# Altium PCB CL-HC-M-V2.1.PcbDoc (part 15 of 19) (continued)
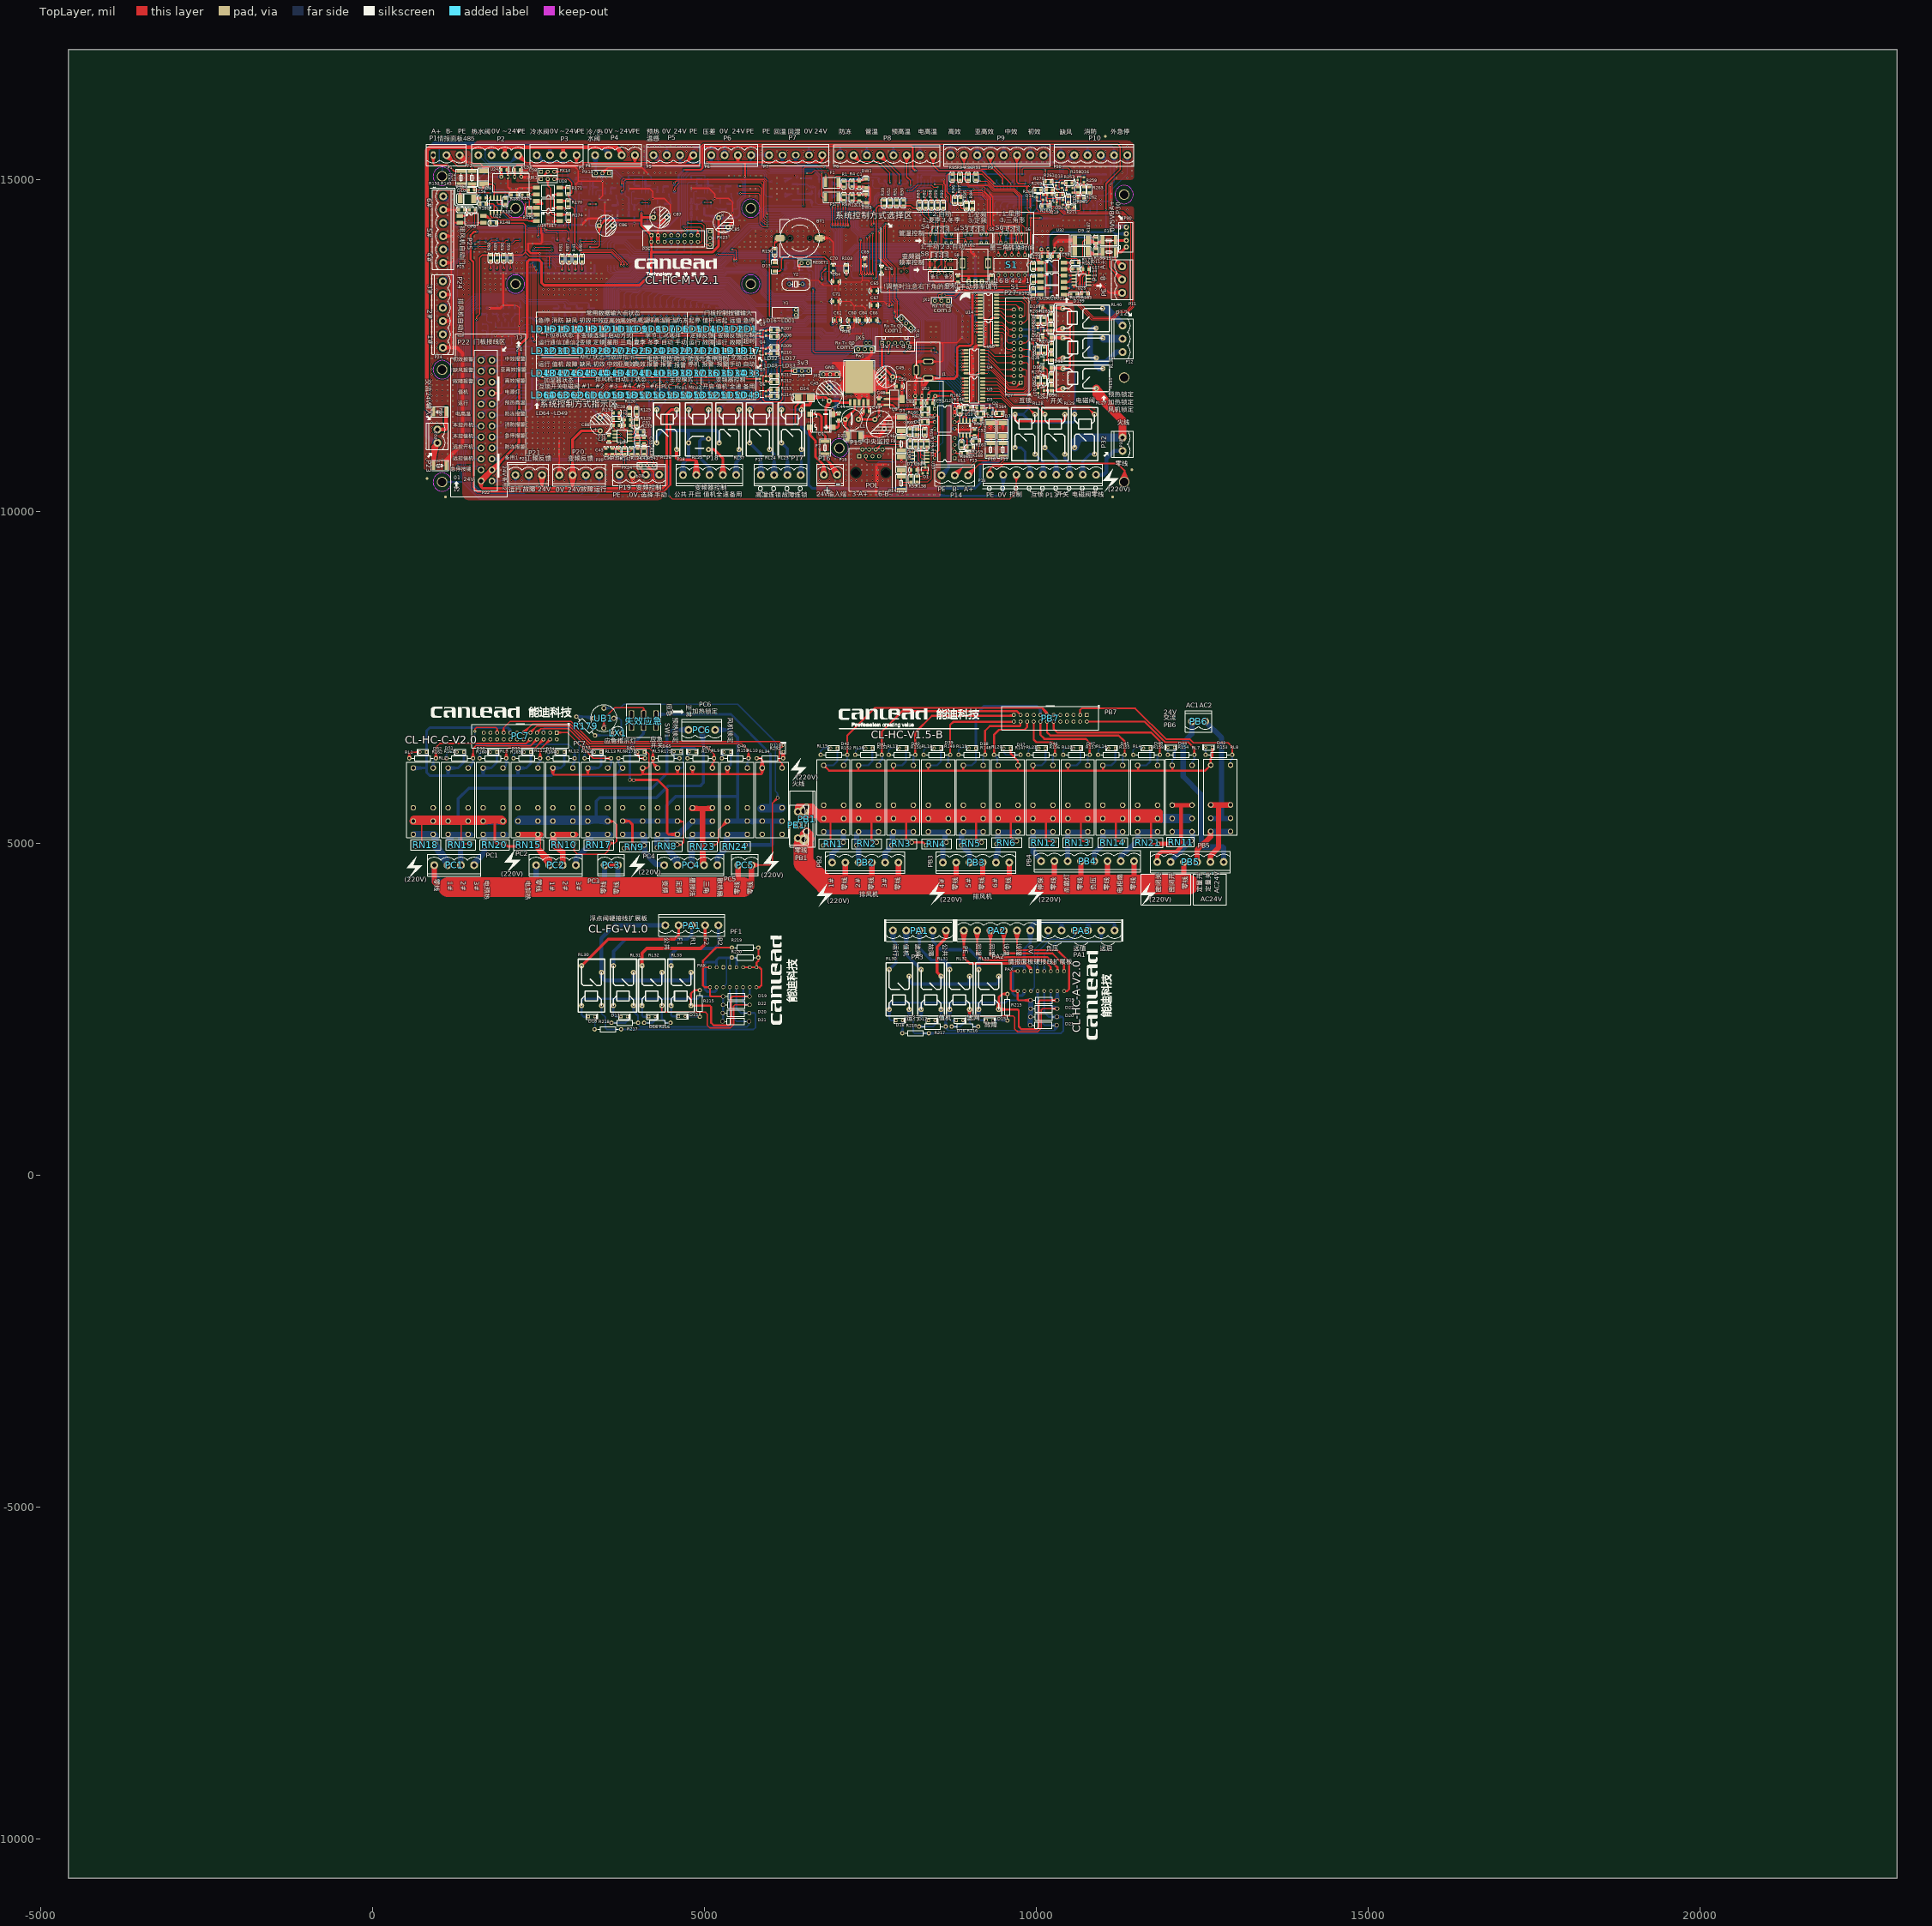
[diagram p0: TopLayer view]
## Nets (pads, with @x,y where several pads share a name; then routed paths per layer and width w, separated by ;. In a path a pad name is that pad's centre, name@x,y a point inside that pad or via, vN(x,y) a via of type N, cw(c..) or ccw(c..) an arc to the next point about the centre after c; other vN are vias at no path point) (continued)
NetQ16_2: Q16.2 R259.2 R263.1 | length 1771
  TopLayer w15: R259.2@10704.94,14891.55 10717.38,14955.35 R259.2@10729.83,14891.55 ; Q16.2@10706.21,14961.91 R259.2@10706.4,14899.04 ; Q16.2@10707.2,14960.27 10717.38,14898.39 Q16.2@10727.57,14960.27 ; Q16.2@10708.45,14958.67 R259.2@10728.37,14899.04 ; Q16.2@10716.4,14961.11 R259.2@10706.4,14899.04 ; Q16.2@10717.38,14961.11 R259.2@10717.38,14890.35 10803.5,14890.35 R263.1@10804.7,14891.55 ; Q16.2@10718.37,14961.11 R259.2@10728.37,14899.04 ; R259.2@10722.38,14890.35 R263.1@10787.38,14890.35 ; R259.2@10723.58,14877.91 R263.1@10787.38,14890.35 ; R259.2@10723.58,14902.79 R263.1@10787.38,14890.35 ; Q16.2@10726.32,14958.67 R259.2@10706.4,14899.04 ; Q16.2@10728.55,14961.91 R259.2@10728.37,14899.04 ; R263.1@10796.36,14903.59 R259.2@10735.11,14880.16 ; R263.1@10796.8,14879.39 R259.2@10734.39,14900.69 ; R263.1@10800.25,14904.03 R259.2@10734.39,14900.69 ; R263.1@10800.68,14879.08 R259.2@10735.11,14880.16 ; R259.2@10734.39,14900.69 R263.1@10799.7,14891.55 ; R259.2@10734.65,14890.35 10798.72,14879.08 R259.2@10734.68,14890.35 ; R259.2@10734.65,14890.35 10798.27,14903.96 R259.2@10734.68,14890.35 ; R259.2@10734.65,14890.35 R263.1@10799.7,14891.55 ; R259.2@10734.68,14890.35 R263.1@10799.7,14891.55 ; R259.2@10735.11,14880.16 R263.1@10799.7,14891.55
NetQ17_2: Q17.2 R260.1 R275.2 | length 1793
  TopLayer w15: R260.1@10010.64,11929.95 Q17.2@10018.96,11865.74 ; R260.1@10015.69,11929.16 10028.13,11865.36 R260.1@10040.58,11929.16 ; Q17.2@10017.95,11859.59 10028.13,11921.48 Q17.2@10038.32,11859.59 ; R260.1@10020.79,11928.35 Q17.2@10037.3,11865.74 ; R260.1@10023.13,11930.36 Q17.2@10018.96,11865.74 ; Q17.2@10028.13,11858.76 R260.1@10028.13,11930.36 R275.2@10120.65,11930.36 ; R260.1@10032.53,11917.87 R275.2@10099.11,11920.91 ; R260.1@10032.53,11942.84 R275.2@10099.11,11939.81 ; R260.1@10035.47,11928.35 Q17.2@10018.96,11865.74 ; R260.1@10036.06,11918.2 R275.2@10099.11,11939.81 ; R260.1@10036.06,11942.51 R275.2@10099.11,11920.91 ; R260.1@10045.63,11929.95 Q17.2@10037.3,11865.74 ; R275.2@10114.45,11917.92 R260.1@10050.65,11930.36 ; R275.2@10114.45,11942.8 R260.1@10050.65,11930.36 ; R275.2@10115.65,11930.36 R260.1@10050.65,11930.36 ; R260.1@10033.13,11930.36 Q17.2@10037.3,11865.74 ; R260.1@10033.13,11930.36 R275.2@10098.13,11930.36 ; R260.1@10033.13,11930.36 R275.2@10099.11,11920.91 ; R260.1@10033.13,11930.36 R275.2@10099.11,11939.81 ; R260.1@10033.13,11930.36 R275.2@10098.13,11930.36 ; R275.2@10098.13,11930.36 10034.33,11942.8 R275.2@10098.13,11930.36 ; R275.2@10098.13,11930.36 10034.33,11917.92 R275.2@10098.13,11930.36
NetQ18_1: Q18.1 R283.1 | length 5418.5
  TopLayer w10: Q18.1@9998,14732.87 10010.61,14686.85 Q18.1@10023.21,14732.87 ; R283.1@10009.25,12924.07 10024.08,12971.82 R283.1@10038.91,12924.07 ; Q18.1@10010.61,14734.56 10010.61,14560.57 10044.79,14526.39 10210.52,14526.39 10265.26,14581.13 10310.57,14581.13 10413.34,14478.36 11289.51,14478.36 11429.08,14338.78 11429.08,13098.24 11373.35,13042.5 11253.44,13042.5 11141.39,12930.45 10866.58,12930.45 10622.68,13174.36 v1@10024.08,13174.36 ; v1@10016.61,13035.7 10024.08,12993.86 ; R283.1@10024.08,12921.82 v1(10024.08,13036.36) 10024.08,12993.86 ; v1(10024.08,13174.06) 10066.58,13174.36 ; v1@10024.69,13181.54 10066.58,13174.36 ; v1@10024.79,13166.6 10066.58,13174.36 ; v1@10031.55,13035.7 10024.08,12993.86
  BottomLayer w10: v1@10016.61,13037.02 10024.08,13078.86 v1@10031.55,13037.02 ; v1@10016.61,13173.4 10024.08,13131.56 v1@10031.55,13173.4 ; v1(10024.08,13036.36) v1(10024.08,13174.06)
NetQ18_2: Q18.2 R265.2 R269.1 | length 737.3
  TopLayer w15: R269.1@10069.14,14847.28 10066.93,14845.07 10066.93,14708.31 ; R265.2@10076.98,14606.63 10089.33,14645.64 ; R265.2@10089.33,14599.72 10089.33,14645.64 ; R265.2@10089.33,14604.72 10089.33,14645.64 ; Q18.2@10093,14695.78 10103.13,14659.43 ; Q18.2@10097.74,14687.94 10066.93,14708.31 ; R265.2@10101.68,14606.63 10089.33,14645.64 ; Q18.2@10103.85,14707.23 10066.93,14708.31 ; Q18.2@10113.25,14695.78 10103.13,14659.43 ; 10066.93,14708.31 10078.07,14697.16 ; 10066.93,14708.31 Q18.2@10102.14,14697.16 ; 10078.07,14697.16 Q18.2@10103.13,14697.16 10103.13,14659.43 ; 10078.07,14697.16 10099.97,14687.18 10078.07,14697.16 ; 10078.07,14697.16 10099.97,14707.15 10078.07,14697.16 ; 10078.07,14697.16 Q18.2@10102.14,14697.16 ; 10078.07,14697.16 Q18.2@10102.14,14697.16 ; 10089.33,14645.64 10103.13,14659.43
NetQ18_3: Q18.3 Q19.3 Q20.1 R265.1 R266.1 | length 1827.2
  TopLayer w15: Q18.3@10103.13,14771.97 10103.3,14772.13 Q19.3@10167.99,14772.13 10167.99,14730.63 ; Q18.3@10103.28,14782.15 Q19.3@10166.25,14782.17 ; Q18.3@10103.33,14761.78 Q19.3@10166.29,14762.09 ; Q18.3@10104.92,14782.15 Q19.3@10166.83,14772.13 ; Q18.3@10104.97,14761.79 Q19.3@10166.83,14772.13 ; Q18.3@10106.53,14781.89 Q19.3@10166.29,14762.09 ; Q18.3@10106.58,14762.05 Q19.3@10166.25,14782.17 ; Q19.3@10157.86,14769.86 10167.99,14730.63 ; R265.1@10161.83,14604.7 10167.99,14670.41 ; Q19.3@10167.16,14761.95 10105.27,14772.13 Q19.3@10167.16,14782.31 ; Q19.3@10167.99,14771.15 10167.99,14730.63 ; R265.1@10174.33,14599.72 10167.99,14606.06 10167.99,14730.63 ; R265.1@10174.33,14604.72 10167.99,14670.41 ; Q19.3@10178.13,14769.86 10167.99,14730.63 ; R265.1@10186.6,14607.09 10167.99,14670.41 ; Q20.1@10299.25,14660.74 10312.37,14722.44 ; R266.1@10300,14764.96 10312.37,14723.1 ; Q20.1@10309.38,14659.43 10312.37,14722.44 ; Q20.1@10312.37,14663.4 10312.37,14723.1 ; R266.1@10312.37,14766.75 10312.37,14723.1 ; R266.1@10312.37,14771.75 10312.37,14723.1 ; Q20.1@10319.59,14659.78 10312.37,14722.44 ; R266.1@10324.74,14764.96 10312.37,14723.1 ; Q18.3@10104.11,14771.97 Q19.3@10166.83,14772.13 ; Q18.3@10104.11,14771.97 Q19.3@10166.29,14762.09 ; Q18.3@10104.11,14771.97 Q19.3@10166.25,14782.17 ; 10167.99,14730.63 10175.91,14722.71 10311.98,14722.71 10312.37,14723.1
NetQ19_1: Q19.1 R268.1 | length 5976.4
  TopLayer w10: v1@9931.14,12524.73 9938.38,12566.62 ; v1@9938.38,12524.12 9938.38,13032.36 10060.38,13154.36 10608.85,13154.36 10850.76,12912.45 11158.22,12912.45 11262.27,13016.5 11372.8,13016.5 11449.08,13092.78 11449.08,14347.06 11297.79,14498.36 10421.63,14498.36 10318.85,14601.13 10227.49,14601.13 10209.33,14619.29 10209.33,14675.68 Q19.1@10205.39,14679.61 ; v1(9938.62,12524.12) 9938.38,12566.62 ; v1@9946.08,12524.82 9938.38,12566.62 ; R268.1@10013.31,12477.68 v1(10028.13,12524.12) ; v1@10020.66,12523.45 R268.1@10028.13,12481.62 ; v1@10020.82,12525.77 R268.1@10015.02,12483.04 ; v1@10021.21,12521.22 10041.24,12483.04 v1@10035.45,12525.77 ; R268.1@10028.13,12475.37 v1(10028.13,12524.12) ; v1@10035.05,12521.22 R268.1@10015.02,12483.04 ; v1@10035.6,12523.45 R268.1@10028.13,12481.62 ; R268.1@10042.95,12477.68 v1(10028.13,12524.12) ; Q19.1@10192.97,14675.92 10209.33,14630.66 ; Q19.1@10205.39,14678.63 10209.33,14630.66 ; Q19.1@10218.09,14677.98 10209.33,14630.66 ; R268.1@10015.02,12483.04 v1(10028.13,12524.12) ; R268.1@10028.13,12481.62 v1(10028.13,12524.12)
  BottomLayer w10: v1(9938.62,12524.12) v1(10028.13,12524.12) 9985.63,12524.12 ; v1@9939.28,12516.64 9981.12,12524.12 v1@9939.28,12531.59 ; v1@10027.47,12516.64 9985.63,12524.12 ; v1@10027.47,12531.59 9985.63,12524.12
NetQ19_2: Q19.2 R266.2 R270.1 | length 2122.5
  TopLayer w15: R270.1@10231.09,14841.08 Q19.2@10243.54,14777.28 ; Q19.2@10240.76,14781.16 v1(10214.84,14770.68) ; Q19.2@10241.1,14761.07 v1(10214.84,14770.68) ; Q19.2@10242.8,14771.15 v1(10214.84,14770.68) ; R270.1@10243.54,14842.28 Q19.2@10243.54,14777.28 ; R270.1@10243.54,14847.28 10243.54,14772.87 Q19.2@10242.8,14772.13 10241.35,14770.68 v1(10214.84,14770.68) ; R270.1@10250.45,14823.27 v1(10214.84,14770.68) ; Q19.2@10252.7,14775.64 R270.1@10232.22,14835.29 ; Q19.2@10252.95,14771.99 R270.1@10254.8,14835.04 ; R270.1@10255.98,14841.08 Q19.2@10243.54,14777.28 ; v1(10214.84,14770.68) 10241.91,14826.64 v1(10214.84,14770.68) ; v1(10214.84,14770.68) Q19.2@10232.62,14774.07 ; v1(10214.84,14770.68) 10232.62,14772.22 R270.1@10232.22,14835.29 ; v1(10214.84,14770.68) R270.1@10232.22,14835.29 ; v1(10214.84,14770.68) Q19.2@10232.62,14774.07 ; v1(10214.84,14770.68) 10232.96,14775.87 R270.1@10254.8,14835.04 ; R270.1@10232.22,14835.29 Q19.2@10242.8,14773.12 ; Q19.2@10232.62,14774.07 R270.1@10243.54,14835.84 ; Q19.2@10232.62,14774.07 R270.1@10243.54,14835.84 ; Q19.2@10242.8,14773.12 R270.1@10243.54,14835.84 ; Q19.2@10242.8,14773.12 R270.1@10243.54,14835.84 ; Q19.2@10242.8,14773.12 R270.1@10254.8,14835.04 ; R270.1@10243.54,14835.84 10252.99,14773.83 R270.1@10243.54,14835.84 ; v1(10385.9,14827.51) 10397.37,14816.04 ; v1(10385.9,14827.51) R266.2@10397.37,14771.75 10397.37,14816.04 ; v1(10385.9,14827.51) 10385.03,14778.73 10397.37,14816.04 ; v1(10385.9,14827.51) 10397.37,14776.75 10397.37,14816.04 ; v1(10385.9,14827.51) 10409.71,14778.73 10397.37,14816.04
  BottomLayer w15: v1(10214.84,14770.68) 10374.56,14770.68 10385.9,14782.03 ; 10385.9,14782.03 v1(10385.9,14827.51) 10385.9,14782.03
NetQ20_2: Q20.2 R267.2 R271.1 | length 665.9
  TopLayer w15: Q20.2@10400.92,14622.03 10484.94,14622.03 10485.16,14622.25 ; Q20.2@10401.9,14622.03 10464.62,14622.03 ; Q20.2@10402.74,14611.85 10464.62,14622.03 ; Q20.2@10402.74,14632.21 10464.62,14622.03 ; R267.2@10471.41,14656.44 10485.16,14622.25 ; R267.2@10471.69,14662.76 10485.16,14685.16 ; R271.1@10472.87,14590.4 10485.16,14622.25 ; R271.1@10485.16,14583.11 10485.16,14622.25 ; R271.1@10485.16,14588.11 10485.16,14622.25 ; R267.2@10495.92,14661.34 10485.16,14685.16 ; R267.2@10496.03,14657.46 10485.16,14622.25 ; R271.1@10497.45,14590.4 10485.16,14622.25 ; 10485.16,14622.25 10485.16,14685.16 ; 10485.16,14622.25 R267.2@10483.63,14659.07 10485.16,14685.16
NetQ21_2: Q21.2 R268.2 R276.2 | length 1793
  TopLayer w15: R268.2@10010.64,12389.97 Q21.2@10018.96,12325.75 ; R268.2@10015.69,12389.17 10028.13,12325.37 R268.2@10040.58,12389.17 ; Q21.2@10017.95,12319.61 10028.13,12381.49 Q21.2@10038.32,12319.61 ; R268.2@10020.79,12388.37 Q21.2@10037.3,12325.75 ; R268.2@10023.13,12390.37 Q21.2@10018.96,12325.75 ; Q21.2@10028.13,12318.77 R268.2@10028.13,12390.37 R276.2@10120.65,12390.37 ; R268.2@10032.53,12377.89 R276.2@10099.11,12380.92 ; R268.2@10032.53,12402.86 R276.2@10099.11,12399.82 ; R268.2@10035.47,12388.37 Q21.2@10018.96,12325.75 ; R268.2@10036.06,12378.22 R276.2@10099.11,12399.82 ; R268.2@10036.06,12402.52 R276.2@10099.11,12380.92 ; R268.2@10045.63,12389.97 Q21.2@10037.3,12325.75 ; R276.2@10114.45,12377.93 R268.2@10050.65,12390.37 ; R276.2@10114.45,12402.81 R268.2@10050.65,12390.37 ; R276.2@10115.65,12390.37 R268.2@10050.65,12390.37 ; R268.2@10033.13,12390.37 Q21.2@10037.3,12325.75 ; R268.2@10033.13,12390.37 R276.2@10098.13,12390.37 ; R268.2@10033.13,12390.37 R276.2@10099.11,12380.92 ; R268.2@10033.13,12390.37 R276.2@10099.11,12399.82 ; R268.2@10033.13,12390.37 R276.2@10098.13,12390.37 ; R276.2@10098.13,12390.37 10034.33,12402.81 R276.2@10098.13,12390.37 ; R276.2@10098.13,12390.37 10034.33,12377.93 R276.2@10098.13,12390.37
NetQ22_2: Q22.2 R283.2 R284.2 | length 1793
  TopLayer w15: R283.2@10006.58,12836.41 Q22.2@10014.91,12772.2 ; R283.2@10011.64,12835.62 10024.08,12771.82 R283.2@10036.52,12835.62 ; Q22.2@10013.89,12766.05 10024.08,12827.93 Q22.2@10034.26,12766.05 ; R283.2@10016.74,12834.81 Q22.2@10033.25,12772.2 ; R283.2@10019.08,12836.82 Q22.2@10014.91,12772.2 ; Q22.2@10024.08,12765.22 R283.2@10024.08,12836.82 R284.2@10116.6,12836.82 ; R283.2@10028.47,12824.33 R284.2@10095.06,12827.37 ; R283.2@10028.47,12849.3 R284.2@10095.06,12846.27 ; R283.2@10031.42,12834.81 Q22.2@10014.91,12772.2 ; R283.2@10032,12824.66 R284.2@10095.06,12846.27 ; R283.2@10032,12848.97 R284.2@10095.06,12827.37 ; R283.2@10041.57,12836.41 Q22.2@10033.25,12772.2 ; R284.2@10110.4,12824.38 R283.2@10046.6,12836.82 ; R284.2@10110.4,12849.26 R283.2@10046.6,12836.82 ; R284.2@10111.6,12836.82 R283.2@10046.6,12836.82 ; R283.2@10029.08,12836.82 Q22.2@10033.25,12772.2 ; R283.2@10029.08,12836.82 R284.2@10094.08,12836.82 ; R283.2@10029.08,12836.82 R284.2@10095.06,12827.37 ; R283.2@10029.08,12836.82 R284.2@10095.06,12846.27 ; R283.2@10029.08,12836.82 R284.2@10094.08,12836.82 ; R284.2@10094.08,12836.82 10030.28,12849.26 R284.2@10094.08,12836.82 ; R284.2@10094.08,12836.82 10030.28,12824.38 R284.2@10094.08,12836.82
NetR119_1: R119.1 U1.1 | length 705.5
  BottomLayer w15: R119.1@3055.25,14995.93 3063.51,15039.36 ; R119.1@3067.74,14990.36 3063.51,14994.59 3063.51,15039.36 ; R119.1@3067.74,14995.36 3063.51,15039.36 ; R119.1@3079.89,14998.3 3063.51,15039.36 ; U1.1@3267.74,14773.68 3267.74,14839.44 ; U1.1@3267.74,14801.68 3267.74,14839.44 ; 3063.51,15039.36 3068.82,15044.68 3262.68,15044.68 3279.66,15027.69 3279.66,14851.36 3267.74,14839.44
NetR120_1: R120.1 U1.7 | length 472.3
  BottomLayer w15: R120.1@3152.74,14700.17 3273.12,14700.17 3317.74,14655.54 U1.7@3317.74,14553.68 ; R120.1@3153.94,14687.73 3217.74,14700.17 R120.1@3153.94,14712.61 ; U1.7@3317.74,14581.68 3317.74,14638.68
NetR121_1: R121.1 U5.1 | length 705.5
  BottomLayer w15: R121.1@3848.67,15016.79 3856.92,15060.22 ; R121.1@3861.15,15011.22 3856.92,15015.45 3856.92,15060.22 ; R121.1@3861.15,15016.22 3856.92,15060.22 ; R121.1@3873.3,15019.16 3856.92,15060.22 ; U5.1@4061.15,14794.54 4061.15,14860.3 ; U5.1@4061.15,14822.54 4061.15,14860.3 ; 3856.92,15060.22 3862.23,15065.54 4056.09,15065.54 4073.07,15048.55 4073.07,14872.22 4061.15,14860.3
NetR122_1: R122.1 U5.7 | length 472.3
  BottomLayer w15: R122.1@3946.15,14721.03 4066.53,14721.03 4111.15,14676.4 U5.7@4111.15,14574.54 ; R122.1@3947.36,14708.59 4011.15,14721.03 R122.1@3947.36,14733.47 ; U5.7@4111.15,14602.54 4111.15,14659.54
NetR139_1: R139.1 U6.1 | length 705.5
  BottomLayer w15: R139.1@4789.38,15021.5 4797.63,15064.94 ; R139.1@4801.86,15015.93 4797.63,15020.16 4797.63,15064.94 ; R139.1@4801.86,15020.93 4797.63,15064.94 ; R139.1@4814.01,15023.87 4797.63,15064.94 ; U6.1@5001.86,14799.25 5001.86,14865.01 ; U6.1@5001.86,14827.25 5001.86,14865.01 ; 4797.63,15064.94 4802.94,15070.25 4996.8,15070.25 5013.78,15053.26 5013.78,14876.93 5001.86,14865.01
NetR140_1: R140.1 U6.7 | length 472.3
  BottomLayer w15: R140.1@4886.86,14725.74 5007.24,14725.74 5051.86,14681.11 U6.7@5051.86,14579.25 ; R140.1@4888.07,14713.3 4951.86,14725.74 R140.1@4888.07,14738.18 ; U6.7@5051.86,14607.25 5051.86,14664.25
NetR141_1: R141.1 U7.1 | length 705.5
  TopLayer w15: U7.1@3874.97,11063.14 3940.73,11063.14 ; U7.1@3902.97,11063.14 3940.73,11063.14 ; R141.1@4091.65,10863.14 4095.88,10858.9 4140.66,10858.9 ; R141.1@4096.65,10863.14 4140.66,10858.9 ; R141.1@4097.22,10850.65 4140.66,10858.9 ; R141.1@4099.59,10875.29 4140.66,10858.9 ; 3940.73,11063.14 3952.65,11075.06 4128.98,11075.06 4145.97,11058.07 4145.97,10864.22 4140.66,10858.9
NetR142_1: R142.1 U7.7 | length 472.3
  TopLayer w15: U7.7@3654.97,11113.14 3756.84,11113.14 3801.46,11068.51 R142.1@3801.46,10948.14 ; U7.7@3682.97,11113.14 3739.97,11113.14 ; R142.1@3789.02,10949.34 3801.46,11013.14 R142.1@3813.9,10949.34
NetR160_1: R160.1@8359.67,11348.36 U12.3 | length 500
  TopLayer w20: R160.1@8359.67,11343.36 8440.48,11338.87 ; R160.1@8359.67,11353.36 8440.48,11357.84 ; U12.3@8471.05,11333.42 8387.38,11348.36 ; U12.3@8471.05,11363.3 8387.38,11348.36 ; U12.3@8472.38,11348.36 R160.1@8359.67,11348.36 ; R160.1@8359.67,11348.36 8387.38,11348.36 ; R160.1@8359.67,11348.36 8387.38,11348.36
NetR161_2: R161.2@8875.76,10872.99 U11.2 | length 201.8
  TopLayer w20: U11.2@8763.78,10891.06 8802.74,10872.99 ; U11.2@8772.38,10903.36 8802.74,10872.99 ; U11.2@8784.67,10911.95 8802.74,10872.99 ; R161.2@8875.76,10872.99 8802.74,10872.99
NetR162_2: R162.2@8849.03,11478.66 R163.2@9116.04,11471.14 U12.6 U13.4 | length 1113.2
  TopLayer w15: R162.2@8849.03,11478.66 v1(8901.93,11478.66) ; R162.2@8854.03,11478.66 v1(8901.93,11478.66) ; R162.2@8855.66,11491.05 v1(8901.93,11478.66) ; R163.2@9113.49,11458.9 9085.41,11471.14 ; R163.2@9113.49,11483.38 9085.41,11471.14 ; R163.2@9116.04,11471.14 9085.41,11471.14 ; v1(8901.93,11478.66) 8855.66,11466.27 v1(8901.93,11478.66) ; v1(9058.44,11478.65) 9077.91,11478.65 ; v1(9058.44,11478.65) 9085.41,11471.14 ; v1(9058.44,11478.65) 9077.91,11478.65 ; 9077.91,11478.65 9085.41,11471.14
  TopLayer w20: U12.6@8772.38,11348.36 8809.03,11348.36 ; U12.6@8775.44,11333.67 8809.03,11348.36 ; U12.6@8775.44,11363.04 8809.03,11348.36 ; U13.4@8849.03,11396.36 R162.2@8849.03,11468.36 ; U13.4@8849.03,11398.66 R162.2@8849.03,11478.66 U13.4@8849.03,11368.36 ; 8809.03,11348.36 8829.03,11368.36 ; 8809.03,11348.36 U13.4@8849.03,11368.36 ; 8829.03,11368.36 U13.4@8849.03,11368.36 ; 8829.03,11368.36 U13.4@8849.03,11368.36
  BottomLayer w15: 8959.43,11478.65 v1(8901.93,11478.66) v1(9058.44,11478.65)
NetR165_1: R165.1@9082.38,11373.66 U11.3 U13.1 | length 1170.8
  TopLayer w20: v1(9035.81,11367.31) R165.1@9077.07,11368.36 ; v1(9035.81,11367.31) U13.1@8999.04,11368.36 R165.1@9077.07,11368.36 ; v1(9035.81,11367.31) R165.1@9082.38,11373.66 ; v1(9035.81,11367.31) 9001.83,11368.36 R165.1@9082.38,11373.66 ; R165.1@9077.07,11368.36 R165.1@9082.38,11373.66
  BottomLayer w10: U11.3@8772.38,11003.36 8812.51,11003.36 ; U11.3@8773.62,10993.44 8812.51,11003.36 ; U11.3@8773.62,11013.28 8812.51,11003.36 ; U11.3@8777.36,10983.99 8812.51,11003.36 ; U11.3@8777.36,11022.73 8812.51,11003.36 ; v1@9035.15,11359.84 8993.31,11367.31 v1@9035.15,11374.78 ; v1(9035.81,11367.31) 8859.27,11367.31 8831.6,11339.64 8831.6,11022.45 8812.51,11003.36
NetR170_1: R170.1 U17.2 | length 741.4
  TopLayer w20: U17.2@2823.29,14677.96 2946.98,14677.96 R170.1@2947.38,14678.36 ; U17.2@2845.03,14697.38 R170.1@2932.5,14678.31 ; U17.2@2845.11,14658.55 R170.1@2932.5,14677.96 ; U17.2@2845.11,14697.37 R170.1@2932.5,14677.96 ; U17.2@2845.18,14658.56 R170.1@2932.5,14678.31 ; U17.2@2862.37,14677.96 R170.1@2942.38,14678.36 ; R170.1@2932.5,14677.96 2842.98,14677.96 R170.1@2932.5,14678.31
NetR171_1: R171.1@2947.38,14879.27 U18.2 | length 736.3
  TopLayer w20: U18.2@2828.32,14879.56 2947.08,14879.56 R171.1@2947.38,14879.27 ; U18.2@2845.05,14860.15 R171.1@2932.5,14879.31 ; U18.2@2845.11,14860.15 R171.1@2932.5,14879.56 ; U18.2@2845.11,14898.97 R171.1@2932.5,14879.56 ; U18.2@2845.16,14898.97 R171.1@2932.5,14879.31 ; U18.2@2862.37,14879.56 R171.1@2942.38,14879.27 ; R171.1@2932.5,14879.31 2842.98,14879.56 R171.1@2932.5,14879.56
NetR172_1: R172.1 U20.2 | length 700.8
  TopLayer w20: R172.1@9954.8,13457.31 R172.1@9957.69,13460.2 ; U20.2@10039.91,13460.2 R172.1@9959.8,13457.31 ; U20.2@10040.01,13438.94 R172.1@9957.69,13460.2 ; U20.2@10040.16,13477.65 R172.1@9959.8,13457.31 ; U20.2@10040.62,13438.87 R172.1@9959.8,13457.31 ; U20.2@10040.88,13477.73 R172.1@9957.69,13460.2 ; U20.2@10062.38,13458.29 10066.19,13460.2 R172.1@9957.69,13460.2 ; R172.1@9957.69,13460.2 10042.69,13458.29 R172.1@9959.8,13457.31
NetR173_1: R173.1 U21.2 | length 709.8
  TopLayer w20: U21.2@10039.44,13653.1 R173.1@9959.44,13653.1 ; U21.2@10039.74,13630.96 R173.1@9959.44,13653.1 ; U21.2@10039.91,13630.93 R173.1@9954.44,13653.1 ; U21.2@10041.06,13669.72 R173.1@9959.44,13653.1 ; U21.2@10041.15,13669.73 R173.1@9954.44,13653.1 ; U21.2@10062.38,13650.26 10065.34,13653.1 R173.1@9954.44,13653.1 ; R173.1@9954.44,13653.1 10042.69,13650.26 R173.1@9959.44,13653.1
NetR176_2: R176.2 U18.4 U22.4 | length 1242.9
  TopLayer w20: U22.4@1929.78,14505.9 1988.96,14505.9 2068.41,14426.45 2283.69,14426.45 2304.32,14447.08 v1(2304.32,14654.07) ; U18.4@2446.47,14760.24 v1(2381.29,14779.56) ; U18.4@2446.47,14798.89 v1(2381.29,14779.56) ; U18.4@2448.96,14779.56 v1(2381.29,14779.56) ; U18.4@2449.28,14779.56 v1(2381.29,14779.56) ; v1(2381.29,14779.56) 2371.66,14769.93 R176.2@2338.82,14769.93 v1(2381.29,14779.56)
  BottomLayer w20: v1(2304.32,14654.07) 2352.79,14654.07 2378.34,14679.62 2378.34,14774.24 v1(2381.29,14779.56) 2378.34,14706.61
NetR177_2: R177.2@10547.67,13750.76 U21.4 U23.4 | length 2713.3
  TopLayer w10: U21.4@10416.71,13750.26 10416.97,13753.1 v1(10500.41,13753.1) ; U21.4@10436.39,13750.26 v1@10495.93,13753.1 ; U21.4@10437.47,13764.75 v1@10495.93,13753.1 ; U21.4@10438.84,13735.94 v1@10495.93,13753.1 ; U21.4@10440.29,13774.48 v1@10495.93,13753.1 ; U21.4@10442.57,13726.53 v1@10495.93,13753.1 ; v1@10496.8,13759.67 U21.4@10460.25,13735.33 ; v1@10497.38,13746.24 U21.4@10459.37,13767.15 ; v1@10497.85,13760.14 U21.4@10458.83,13741.95 ; v1@10498.33,13745.89 10540.9,13737.49 v1@10503.7,13759.83 ; v1@10498.45,13745.86 U21.4@10458.32,13760.59 ; v1@10499.06,13760.47 10541.83,13764.51 v1@10503.03,13746.07 ; v1@10499.43,13760.53 U21.4@10457.93,13751.29 ; v1@10499.75,13745.62 10457.91,13753.1 v1@10499.75,13760.57 ; v1@10500.07,13745.6 U21.4@10457.93,13751.29 ; v1@10500.7,13745.6 10542.87,13750.99 v1@10501.44,13760.52 ; v1@10501.07,13745.62 10542.91,13753.1 10501.07,13760.57 U21.4@10458.32,13760.59 ; v1@10501.71,13745.71 U21.4@10458.83,13741.95 ; v1@10502.22,13760.37 U21.4@10459.37,13767.15 ; v1@10502.85,13746 U21.4@10460.25,13735.33 ; R177.2@10544.56,13736.08 v1(10500.41,13753.1) ; R177.2@10546.02,13765.67 v1(10500.41,13753.1) ; v1@10562.93,13368.78 U23.4@10563.83,13409.57 ; v1@10562.94,13370 U23.4@10570.41,13409.7 ; v1@10562.95,13370.07 U23.4@10570.81,13410.1 ; v1@10563.19,13371.33 U23.4@10577.78,13409.43 ; v1@10577.67,13371.19 U23.4@10563.83,13409.57 ; v1@10577.88,13368.64 U23.4@10577.78,13409.43 ; v1@10577.89,13369.92 U23.4@10570.81,13410.1 ; v1@10577.88,13370 U23.4@10570.41,13409.7 ; U21.4@10457.93,13751.29 v1(10500.41,13753.1) ; U21.4@10458.32,13760.59 v1(10500.41,13753.1) ; U21.4@10458.83,13741.95 v1(10500.41,13753.1) ; U21.4@10459.37,13767.15 v1(10500.41,13753.1) ; U21.4@10460.25,13735.33 v1(10500.41,13753.1) ; v1(10500.41,13753.1) 10545.33,13753.1 R177.2@10547.67,13750.76 v1(10500.41,13753.1) ; U23.4@10563.83,13409.57 v1(10570.41,13369.31) ; v1(10570.41,13369.31) U23.4@10570.41,13409.7 ; v1(10570.41,13369.31) U23.4@10577.78,13409.43 ; v1(10570.41,13369.31) U23.4@10570.81,13410.1 ; U23.4@10570.41,13409.7 U23.4@10570.81,13410.1
  BottomLayer w10: v1@10492.94,13752.43 10500.41,13710.6 v1@10507.88,13752.43 ; v1(10500.41,13753.1) 10500.41,13634.31 10530.41,13604.31 10530.41,13379.31 10540.41,13369.31 ; v1@10569.47,13361.87 10540.41,13369.31 ; v1@10569.47,13376.75 10540.41,13369.31 ; v1(10570.41,13369.31) 10540.41,13369.31
NetR178_1: R178.1 U16.1 | length 611.6
  TopLayer w20: U16.1@2445.63,14455.58 R178.1@2368.32,14480.18 ; U16.1@2446.42,14455.44 R178.1@2382.53,14474.76 ; U16.1@2446.42,14494.08 R178.1@2382.53,14474.76 ; U16.1@2448.22,14494.26 R178.1@2368.32,14480.18 ; U16.1@2449.65,14474.76 R178.1@2368.32,14480.18 ; U16.1@2468.96,14474.76 R178.1@2382.53,14474.76 ; R178.1@2368.32,14480.18 2449.27,14474.76 R178.1@2382.53,14474.76
NetR179_1: LX1.A R179.1 U19.1 | length 1853.7
  TopLayer w15: U19.1@10416.97,13268.09 10521.68,13268.09 R179.1@10523.81,13270.23 U19.1@10458.73,13268.09 ; U19.1@10436.29,13290.12 R179.1@10512.43,13280.39 ; U19.1@10437.38,13246.08 R179.1@10511.91,13259.54 ; U19.1@10439.41,13289.95 R179.1@10511.22,13269.81 ; U19.1@10439.91,13246.31 R179.1@10511.18,13268.09 ; U19.1@10439.91,13289.88 R179.1@10511.18,13268.09 ; U19.1@10440.41,13246.39 R179.1@10511.22,13269.81 ; U19.1@10442.3,13289.39 R179.1@10511.91,13259.54 ; U19.1@10443.27,13247.08 R179.1@10512.43,13280.39 ; R179.1@10522.21,13282.62 U19.1@10458.73,13268.09 ; R179.1@10523.02,13257.75 U19.1@10458.73,13268.09 ; U19.1@10436.66,13268.09 R179.1@10511.18,13268.09 ; U19.1@10436.66,13268.09 R179.1@10511.91,13259.54 ; U19.1@10436.66,13268.09 R179.1@10512.43,13280.39 ; U19.1@10436.66,13268.09 R179.1@10511.22,13269.81
  BottomLayer w25: R179.1@3353.86,6626.57 3614.88,6626.57 ; R179.1@3355.51,6606.63 3474.82,6626.57 R179.1@3355.51,6646.5 ; LX1.A@3631.76,6671.1 3614.88,6626.57 ; LX1.A@3648.56,6660.24 3614.88,6626.57 ; LX1.A@3659.42,6643.44 3614.88,6626.57
NetR179_2: R179.2@3071.02,6909.41 UB1.3 | length 968
  BottomLayer w30: R179.2@3071.02,6909.41 3310.86,6909.41 UB1.3@3334.9,6885.37 3196.24,6909.41 ; R179.2@3072.14,6891.94 3206.98,6909.41 R179.2@3072.14,6926.87 ; UB1.3@3329.3,6863.58 3196.24,6909.41 ; UB1.3@3336.96,6907.77 3196.24,6909.41
NetR180_2: R180.2 U17.3 U22.2 U22.3 | length 2137.1
  TopLayer w20: R180.2@1705.38,14632.63 1816.83,14632.63 1829.78,14619.69 ; U22.2@1829.78,14505.9 1829.78,14619.69 ; U22.2@1829.78,14533.9 1829.78,14605.9 ; U17.3@2468.96,14677.96 v1(2541.15,14677.96) ; U17.3@2488.65,14677.96 v1(2541.15,14677.96) ; U17.3@2492.28,14658.78 v1(2541.15,14677.96) ; U17.3@2492.28,14697.15 v1(2541.15,14677.96) ; 1829.78,14619.69 v1@1879.78,14569.69 ; 1829.78,14619.69 v1(1879.73,14570.81) ; v1(1879.73,14570.81) U22.3@1879.78,14505.9 v1@1879.78,14569.69 ; v1(1879.73,14570.81) 1879.78,14533.9 v1@1879.78,14569.69
  TopLayer w30: U17.3@2468.96,14677.96 v1(2462.81,14636.46) 2560.36,14636.46 ; 2560.36,14636.46 2488.65,14677.96 v1(2541.15,14677.96) 2560.36,14636.46
  BottomLayer w15: v1@1879.78,14569.69 v1(1879.73,14570.81) 2025.83,14424.71 2460.78,14424.71 2541.15,14505.08 v1(2541.15,14677.96)
NetR181_2: R181.2 U20.3 U23.2 U23.3 | length 1494
  TopLayer w10: U20.3@10416.71,13458.29 10420.52,13460.2 10497.81,13460.2 ; U20.3@10436.39,13458.29 10495.92,13460.2 ; U20.3@10437.7,13472.76 10495.92,13460.2 ; U20.3@10438.62,13443.93 10495.92,13460.2 ; U20.3@10440.67,13482.44 10495.92,13460.2 ; U20.3@10442.21,13434.46 10495.92,13460.2 ; U23.2@10538.54,13515.64 10505.67,13485.89 ; U23.3@10542.21,13453.13 10500.81,13460.2 ; U23.3@10542.25,13467.08 10500.81,13460.2 ; U23.3@10542.81,13460.1 10500.81,13460.2 ; U23.2@10546.16,13503.95 10505.67,13485.89 ; U23.2@10570.81,13510.1 10529.88,13510.1 ; U23.3@10596.28,13466.63 10631.43,13476.5 ; U23.3@10602.54,13454.18 10631.43,13476.5 ; R181.2@10616.6,13645.81 10631.43,13598.06 ; R181.2@10631.43,13648.06 10631.43,13598.06 ; R181.2@10631.43,13653.06 10631.43,13476.5 ; R181.2@10646.26,13645.81 10631.43,13598.06 ; 10497.81,13460.2 10497.81,13478.03 10529.88,13510.1 ; 10497.81,13460.2 10570.71,13460.2 U23.3@10570.81,13460.1 10615.03,13460.1 ; 10505.67,13485.89 U23.2@10542.81,13510.1 ; 10529.88,13510.1 10540.92,13503.36 10529.88,13510.1 ; 10529.88,13510.1 10540.92,13516.84 10529.88,13510.1 ; 10529.88,13510.1 U23.2@10542.81,13510.1 ; 10529.88,13510.1 U23.2@10542.81,13510.1 ; U23.3@10598.81,13460.1 10631.43,13476.5 ; U23.3@10598.81,13460.1 10615.03,13460.1 ; U23.3@10598.81,13460.1 10615.03,13460.1 ; 10615.03,13460.1 10631.43,13476.5 ; 10615.03,13460.1 10600.32,13466.93 10615.03,13460.1 ; 10615.03,13460.1 10600.32,13453.26 10615.03,13460.1
NetRL34_5: RL34.5 失效应急.3 失效应急.6 | length 4928.1
  BottomLayer w39.37: 失效应急.6@4271.37,6944.06 5401.81,6944.06 5994.9,6350.97 5994.9,5584.62 ; 失效应急.6@4272.6,6924.41 4428.85,6944.06 失效应急.6@4272.6,6963.71
  BottomLayer w80: 失效应急.3@4271.37,6755.08 4271.37,6924.38 4271.37,6774.77 失效应急.6@4271.37,6944.06 失效应急.3@4271.37,6755.08
  BottomLayer w118.11: RL34.5@5855.41,5524.62 RL34.5@6171.6,5535.81 RL34.5@5871.6,5535.81 6155.41,5524.62 RL34.5@5855.41,5524.62
NetU1X_2: UB1.2 失效应急.5 | length 1322.6
  TopLayer w20: UB1.2@3457.68,6739.25 3484.9,6832.87 UB1.2@3512.13,6739.25 ; UB1.2@3484.9,6735.37 3484.9,6878.45 3651.82,7045.37 4077.36,7045.37 4086.33,7036.39 ; 失效应急.5@4057.57,6969.68 4086.33,7036.39 ; 失效应急.5@4086.33,6944.06 4086.33,7036.39 ; 失效应急.5@4086.33,6963.75 4086.33,7036.39 ; 失效应急.5@4115.1,6969.68 4086.33,7036.39
NetU1X_4: LX1.K UB1.4 | length 691.4
  BottomLayer w25: UB1.4@3634.9,6885.37 3713.87,6885.37 ; UB1.4@3638.86,6860.68 3713.87,6885.37 ; UB1.4@3638.86,6910.05 3713.87,6885.37 ; LX1.K@3728.64,6662.1 3748.56,6767.74 LX1.K@3768.47,6662.1 ; LX1.K@3748.56,6660.24 3748.56,6850.68 3713.87,6885.37
NetU16_2: U16.2 U22.1 | length 1060.1
  TopLayer w20: U22.1@1779.78,14477.9 1779.78,14449.79 ; U22.1@1779.78,14505.9 1779.78,14449.79 ; U16.2@2447.14,14355.35 2359.75,14374.76 ; U16.2@2447.14,14394.17 2359.75,14374.76 ; U16.2@2449.27,14374.76 2359.75,14374.76 ; U16.2@2456,14374.76 2352.05,14374.76 2333.7,14393.11 1912.36,14393.11 1875.51,14429.96 1799.61,14429.96 1779.78,14449.79